# Altium PCB IDC_MCX_Adapter.PCBDOC (part 2 of 3)
Units mm, origin at the board's own origin, x right, y up, seen from the top; angles counter-clockwise.
Board outline 125 x 100 mm, 6 copper layers (L1, GND1, L2, L3, GND2, L4), stack 1.516 mm thick; 264 components, 203 nets, 818 pads, 676 vias.
Unrouted connection lines stored in the file: 2.
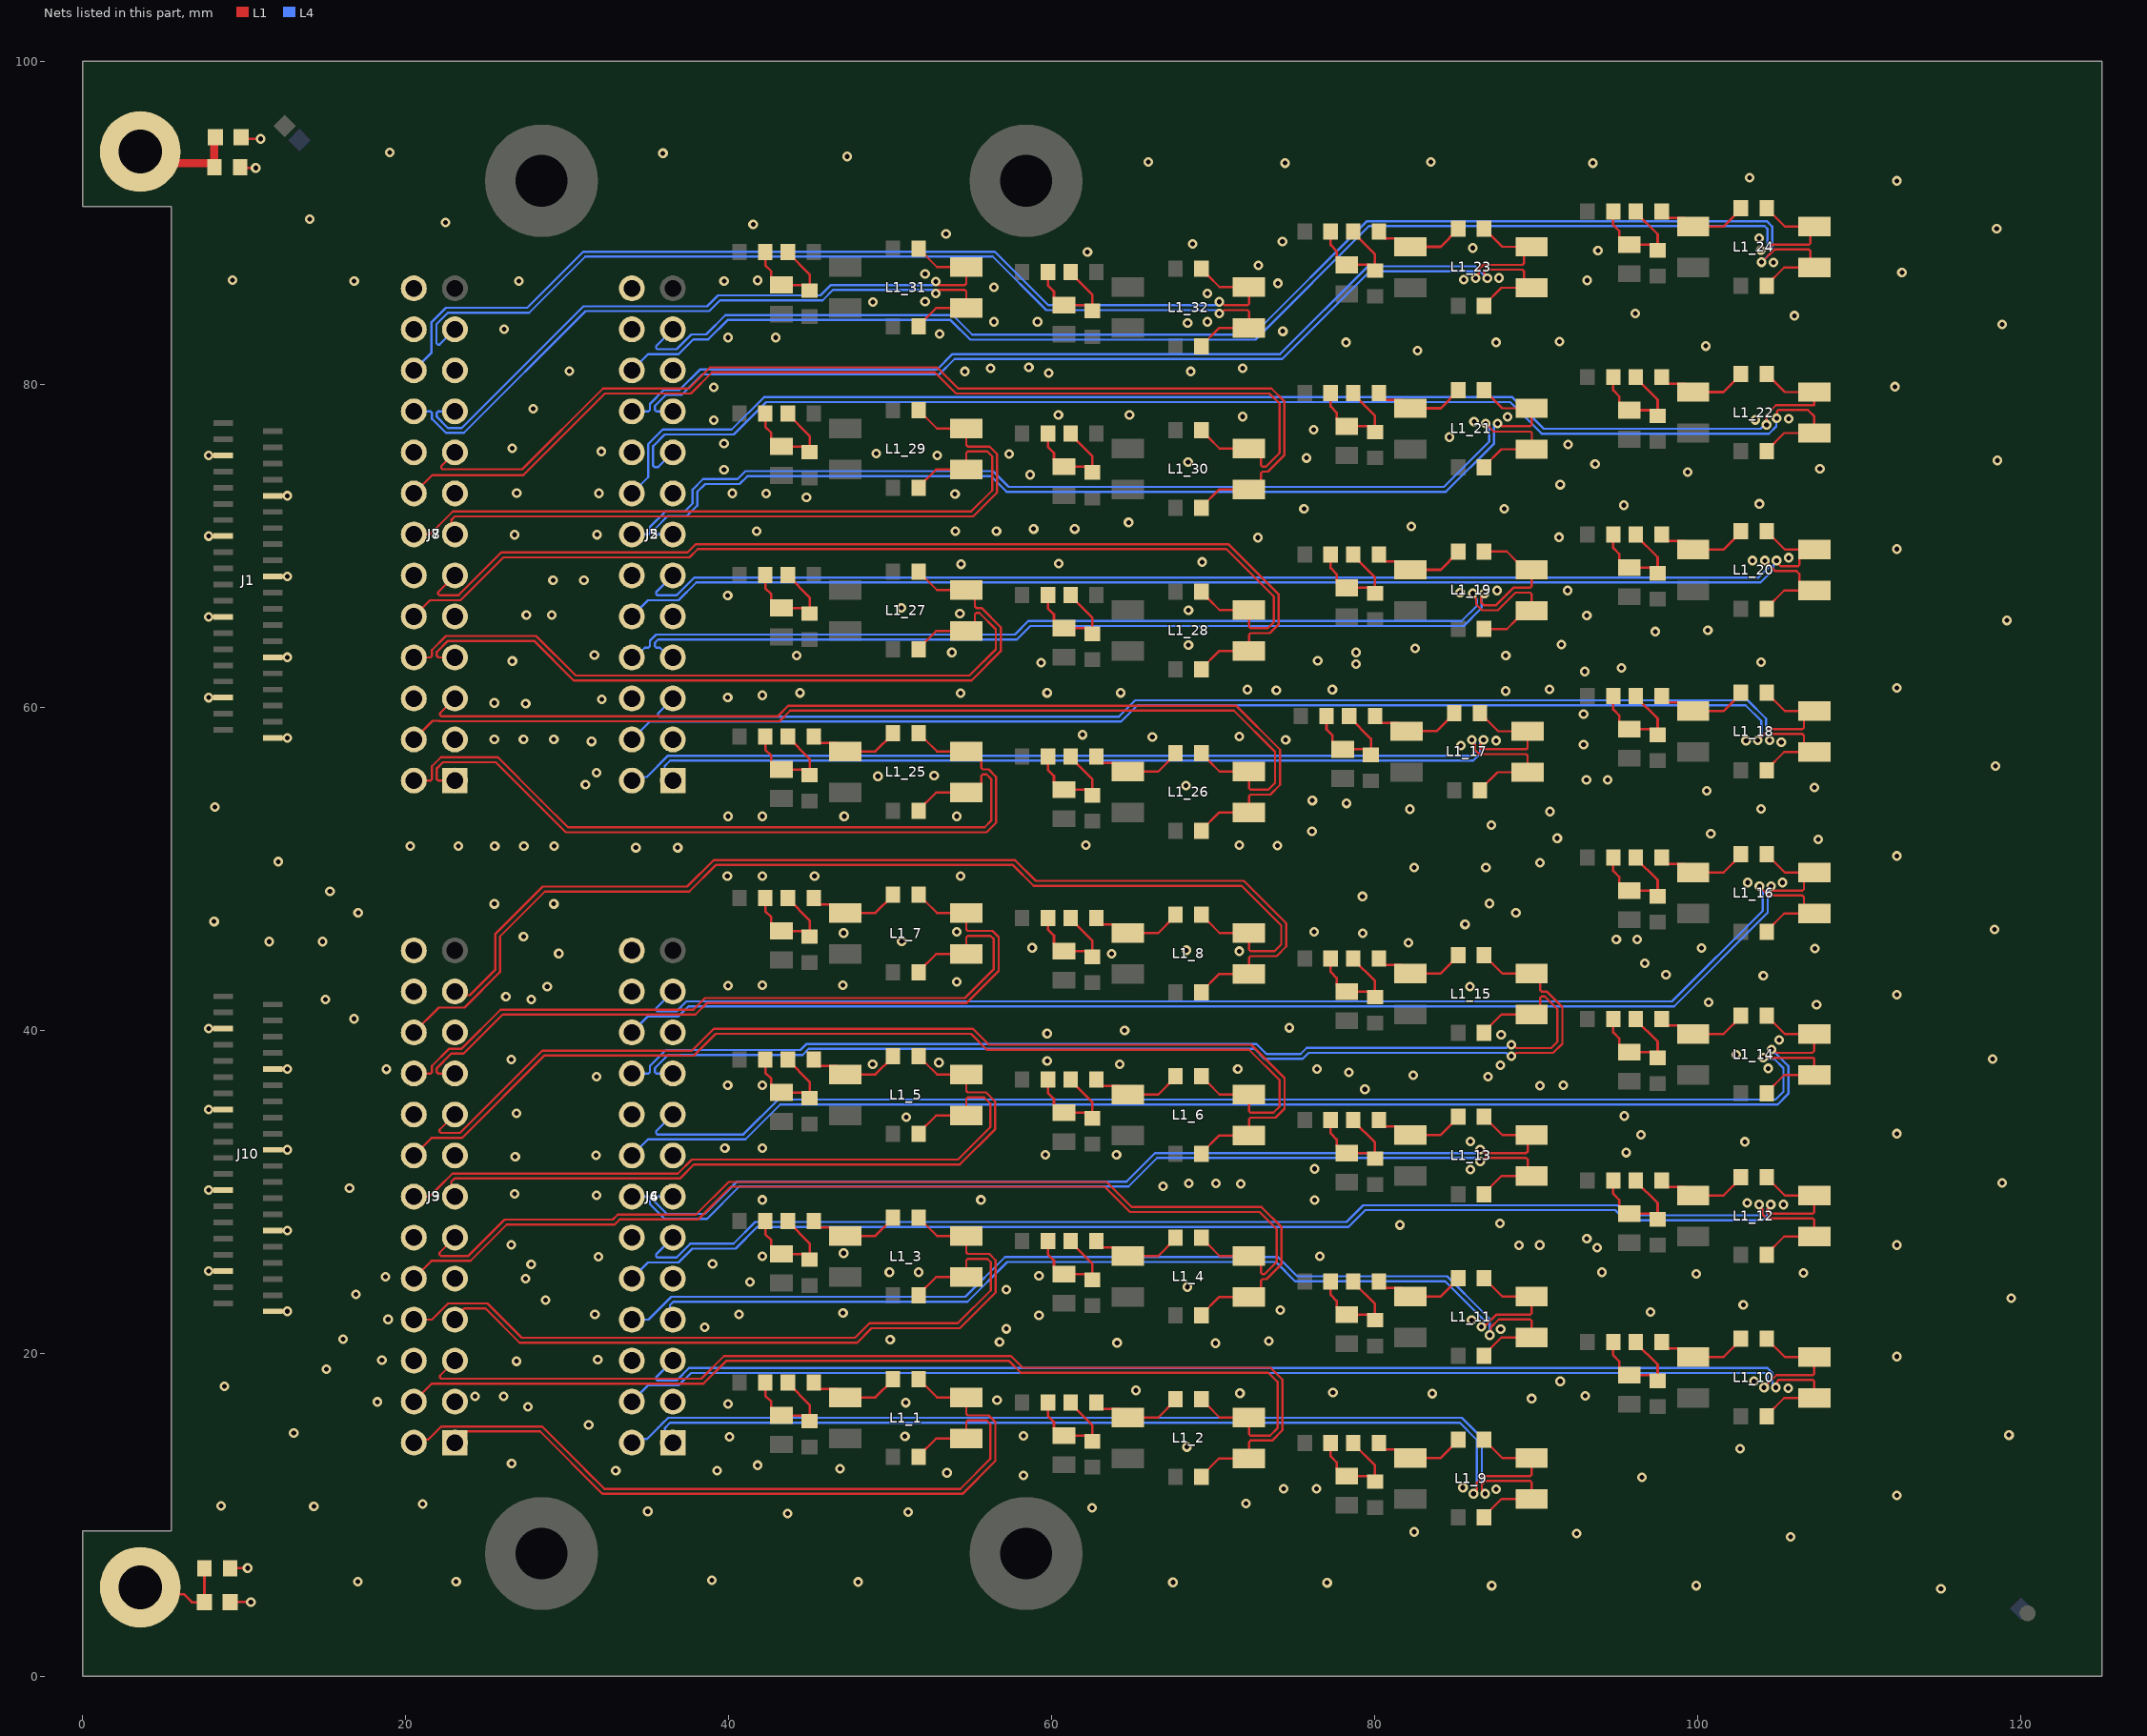
[diagram p6: the nets of this part, all layers, seen from the top]

## Via types
v1: diameter 0.6, hole 0.3, L1 to L4, tented both sides, 676 vias

## Nets (pads, with @x,y where several pads share a name; then routed paths per layer and width w, separated by ;. In a path a pad name is that pad's centre, name@x,y a point inside that pad or via, vN(x,y) a via of type N, cw(c..) or ccw(c..) an arc to the next point about the centre after c; other vN are vias at no path point)
GND: C11.2 C15.2 J1.5 J1.10 J1.15 J1.20 J1.25 J1.30 J1.35 J1.40 J2.3 J2.6 J2.9 J2.12 J2.15 J2.18 J2.21 J2.24 J3.3 J3.6 J3.9 J3.12 J3.15 J3.18 J3.21 J3.24 J4.3 J4.6 J4.9 J4.12 J4.15 J4.18 J4.21 J4.24 J5.3 J5.6 J5.9 J5.12 J5.15 J5.18 J5.21 J5.24 J6.3 J6.6 J6.9 J6.12 J6.15 J6.18 J6.21 J6.24 J7.3 J7.6 J7.9 J7.12 J7.15 J7.18 J7.21 J7.24 J8.3 J8.6 J8.9 J8.12 J8.15 J8.18 J8.21 J8.24 J9.3 J9.6 J9.9 J9.12 J9.15 J9.18 J9.21 J9.24 J10.5 J10.10 J10.15 J10.20 J10.25 J10.30 J10.35 J10.40 R17.2 R23.2 | length 22.8
  L1 w0.137: v1@7.747,30.108 7.899,30.108 7.908,30.1 J10.25@8.7,30.1 ; v1@7.747,65.608 7.899,65.608 7.908,65.6 J1.25@8.7,65.6 ; R23.2@9.124,6.673 9.151,6.7 v1(10.2,6.7) ; C15.2@9.224,4.581 9.243,4.6 v1(10.4,4.6) ; R17.2@9.742,93.44 9.782,93.4 v1(10.7,93.4) ; C11.2@9.9,95.3 10,95.2 v1(11,95.2)
  L1 w0.203: v1(7.787,25.1) J10.35@8.7,25.1 ; v1(7.787,30.1) J10.25@8.7,30.1 ; v1(7.787,35.1) J10.15@8.7,35.1 ; v1(7.787,40.1) J10.5@8.7,40.1 ; v1(7.787,60.6) J1.35@8.7,60.6 ; v1(7.787,65.6) J1.25@8.7,65.6 ; v1(7.787,70.6) J1.15@8.7,70.6 ; v1(7.787,75.6) J1.5@8.7,75.6 ; J10.40@11.75,22.6 v1(12.663,22.6) ; J10.30@11.75,27.6 v1(12.663,27.6) ; J10.10@11.75,37.6 v1(12.663,37.6) ; J1.40@11.75,58.1 v1(12.663,58.1) ; J1.30@11.75,63.1 v1(12.663,63.1) ; J1.10@11.75,73.1 v1(12.663,73.1) ; v1(12.663,32.6) J10.20@11.75,32.6 v1@12.7,32.6 ; v1(12.663,68.1) J1.20@11.75,68.1 v1@12.7,68.1
  other v1: 115.037,5.41 87.224,5.613 99.898,5.613 77.038,5.791 67.488,5.817 48.006,5.842 17.018,5.867 23.114,5.867 38.938,5.944 105.74,8.636 92.481,8.839 82.423,8.941 43.637,10.084 51.105,10.16 34.976,10.211 62.484,10.439 14.3,10.516 8.56,10.541 21.031,10.668 72.009,10.693 112.3,11.2 87.503,11.582 74.35,11.605 76.377,11.605 85.446,11.684 96.52,12.319 58.242,12.446 53.5,12.6 32.995,12.725 39.268,12.725 46.888,12.852 41.782,13.069 26.543,13.183 102.6,14.1 68.351,14.199 40.031,14.82 50.902,14.859 58.242,14.884 119.253,14.935 13.056,15.062 31.318,15.57 27.559,16.688 39.954,16.866 50.952,16.942 18.237,16.993 56.6,17.1 89.7,17.2 24.284,17.344 26.059,17.344 93.015,17.374 83.541,17.501 71.641,17.529 77.394,17.577 65.202,17.704 105.588,17.831 8.763,17.958 91.465,18.263 103.454,18.263 15.088,19.025 26.848,19.507 18.517,19.583 31.877,19.609 112.3,19.8 70.129,20.625 64.033,20.65 56.749,20.694 73.431,20.752 49.987,20.853 16.104,20.879 87.782,21.488 57.181,21.514 38.506,21.609 85.979,22.047 18.898,22.098 59.195,22.352 31.699,22.403 40.628,22.41 47.066,22.504 97.053,22.555 74.143,22.682 102.8,23 28.651,23.292 119.38,23.419 16.916,23.647 57.181,23.952 68.377,24.105 41.3,24.409 27.407,24.613 18.745,24.74 59.195,24.79 99.898,24.917 106.528,24.968 49.936,25.019 51.74,25.019 94.056,25.019 27.752,25.503 38.989,25.527 31.928,25.984 42.07,26 76.581,26.01 47.1,26.2 93.751,26.543 88.925,26.695 90.2,26.7 112.3,26.7 26.531,26.724 93.116,27.102 81.547,27.945 87.732,28.042 105.283,29.21 103.048,29.312 42.07,29.5 55.6,29.502 76.251,29.489 31.801,29.794 26.721,29.87 16.51,30.226 66.878,30.353 71.694,30.498 68.478,30.531 70.155,30.531 118.821,30.556 85.903,31.378 76.251,31.42 26.772,32.182 31.775,32.258 59.6,32.3 64,32.3 95.548,32.429 39.751,32.7 42.07,32.7 102.9,33.1 85.903,33.122 96.469,33.528 112.3,33.6 50.978,34.62 95.428,34.696 26.848,34.849 79.375,36.347 90.221,36.576 39.929,36.601 42.07,36.6 91.669,36.601 31.801,37.135 86.996,37.138 82.372,37.211 78.384,37.389 18.796,37.592 71.5,37.6 76.4,37.6 104.343,37.643 87.757,37.846 48.9,37.9 64.2,37.9 53,38 59.7,38.1 26.518,38.202 118.237,38.227 102.362,38.481 105.029,39.395 87.808,39.726 59.7,39.8 64.5,40 74.701,40.157 16.789,40.716 107.34,41.58 100.66,41.732 15.011,41.91 27.762,41.91 26.187,42.088 112.3,42.2 28.753,42.697 85.877,42.697 39.954,42.774 42.07,42.8 47.054,42.8 54.1,43 104.038,43.383 98.019,43.434 96.698,44.145 29.464,44.755 63.7,44.75 71.6,44.9 68.326,44.958 107.239,45.06 58.779,45.11 100.208,45.1 82.067,45.415 11.532,45.491 14.834,45.491 50.698,45.517 94.945,45.618 96.241,45.618 27.28,45.796 79.246,46.001 47.1,46.024 54.1,46.1 76.227,46.097 118.364,46.253 85.573,46.558 8.128,46.736 17.043,47.269 88.722,47.269 25.476,47.828 29.159,47.828 87.097,47.854 79.226,48.291 15.3,48.6 103.073,49.149 105.232,49.149 39.903,49.555 42.07,49.555 45.3,49.555 54.346,49.555 82.423,50.089 86.868,50.089 90.221,50.368 12.09,50.444 112.3,50.8 34.239,51.308 36.83,51.308 20.269,51.41 23.241,51.41 25.502,51.41 27.305,51.41 29.185,51.41 73.965,51.435 62.1,51.475 71.6,51.475 107.442,51.816 91.288,51.892 100.787,52.172 76.098,52.324 87.2,52.7 39.954,53.251 42.07,53.251 47.132,53.251 54.1,53.251 90.829,53.545 82.169,53.696 103.9,53.7 8.179,53.823 78.232,54.051 76.124,54.229 100.533,54.839 107.213,55.041 68.298,55.155 31.115,55.22 93.091,55.499 94.412,55.499 49.225,55.728 52.705,55.778 31.801,55.956 118.415,56.363 85.319,57.633 92.913,57.683 105.156,57.836 31.496,57.887 87.503,57.937 102.972,57.937 74.473,57.988 25.476,58.014 27.28,58.014 29.159,58.014 66.218,58.166 71.6,58.2 61.9,58.3 92.913,59.588 27.42,60.23 25.476,60.274 32.131,60.503 39.929,60.604 42.07,60.744 54.346,60.871 44.397,60.897 59.7,60.897 64.262,60.897 88.087,61.011 73.889,61.062 72.1,61.1 77.362,61.1 90.805,61.112 112.3,61.2 92.981,62.219 95.25,62.433 78.819,62.673 59.334,62.763 103.9,62.8 26.594,62.865 76.454,62.89 44.2,63.2 88.1,63.2 31.674,63.246 53.8,63.4 78.819,63.4 82.475,63.643 68.453,63.856 91.542,63.881 97.358,64.694 100.609,64.77 119.126,65.38 93.116,65.684 27.457,65.71 29.026,65.714 54.3,65.8 68.453,66.015 50.673,66.167 39.929,66.929 85.268,67.107 87.554,67.234 91.923,67.234 29.108,67.869 31.021,67.869 54.381,68.859 60.424,68.9 69.3,69 103.378,69.088 105.613,69.266 112.3,69.8 72.746,70.51 91.389,70.536 26.721,70.688 31.828,70.691 41.707,70.917 54.026,70.917 56.566,70.917 58.868,71.044 61.408,71.044 82.242,71.199 64.745,71.45 75.6,72.3 88,72.3 95.402,72.517 103.8,72.6 44.8,73 54,73.2 31.953,73.254 40.202,73.254 42.303,73.244 26.865,73.269 91.465,73.787 58.645,74.402 99.365,74.574 39.697,74.711 107.544,74.778 93.624,75.057 68.428,75.184 118.542,75.286 75.768,75.438 52.9,75.6 57.357,75.693 49.124,75.717 32.106,75.844 26.59,76.04 91.948,76.276 39.697,76.333 84.607,76.733 76.2,77.191 86.131,77.699 39.065,77.775 103.556,77.8 105.613,77.876 88.214,77.978 71.8,78 60.4,78.1 64.8,78.1 27.889,78.486 39.065,79.807 112.192,79.858 59.792,80.696 54.6,80.8 68.6,80.8 30.124,80.823 56.21,81.001 71.8,81 58.572,81.051 82.626,82.093 100.482,82.372 78.2,82.6 87.5,82.6 91.415,82.652 39.948,82.9 42.9,82.9 53.052,83.127 74.295,83.287 26.086,83.414 118.821,83.718 68.4,83.8 56.399,83.871 59.106,83.871 69.621,83.871 105.969,84.252 96.114,84.379 48.92,85.09 52.147,85.129 69.621,85.623 56.413,86.004 73.99,86.258 27,86.385 39.7,86.385 16.8,86.4 41.783,86.436 93.142,86.436 9.271,86.462 85.496,86.487 87.681,86.589 52.147,86.845 112.624,86.919 72.771,87.376 104.673,87.554 62.2,88.2 93.802,88.29 86.055,88.443 68.7,88.7 74.27,88.849 103.784,89.052 53.442,89.306 118.491,89.637 41.5,89.9 22.454,90.018 14.046,90.221 112.3,92.6 103.2,92.8 74.422,93.701 93.497,93.701 65.964,93.777 83.464,93.777 47.32,94.107 35.916,94.31 18.999,94.361
IN_N1: J3.2 J9.2 L1_1.3 R5_1.2 | length 46.7
  L1 w0.137: J9.2@20.492,14.466 20.69,14.664 21.393,14.664 22.198,15.469 28.431,15.469 30.992,12.908 31.1,12.8 32.3,11.6 54.327,11.6 56.191,13.465 56.191,15.615 55.959,15.848 54.789,15.848 54.7,15.758 L1_1.3@54.7,14.73 52.83,14.73 51.75,13.65 R5_1.2@51.75,13.6
IN_N2: J3.5 J9.5 L1_2.3 R5_2.2 | length 64.8
  L1 w0.137: J9.5@23.032,19.546 22.11,18.623 22.11,18.51 22.19,18.429 38.298,18.429 39.698,19.83 57.47,19.83 58.195,19.105 73.526,19.105 74.27,18.361 74.27,15.24 73.627,14.598 72.289,14.598 72.2,14.508 L1_2.3@72.2,13.48 70.33,13.48 69.25,12.4 R5_2.2@69.25,12.35
IN_N3: J3.8 J9.8 L1_3.3 R5_3.2 | length 46.1
  L1 w0.137: J9.8@20.492,22.086 21.614,22.086 22.617,23.089 25.043,23.089 27.168,20.964 47.812,20.964 48.707,21.859 54.17,21.859 56.21,23.9 56.21,25.637 56,25.848 54.789,25.848 54.7,25.758 L1_3.3@54.7,24.73 52.83,24.73 51.75,23.65 R5_3.2@51.75,23.6
IN_N4: J3.11 J9.11 L1_4.3 R5_4.2 | length 65.6
  L1 w0.137: J9.11@23.032,27.166 22.09,26.224 22.09,26.11 22.171,26.03 23.872,26.03 26.119,28.277 32.799,28.277 33.112,28.59 37.959,28.59 39.984,30.616 63.389,30.616 64.95,29.055 72.976,29.055 74.219,27.812 74.219,25.531 73.286,24.598 73.033,24.598 72.944,24.508 72.944,24.004 72.42,23.48 L1_4.3@72.2,23.48 70.33,23.48 69.25,22.4 R5_4.2@69.25,22.35
IN_N5: J3.14 J9.14 L1_5.3 R5_5.2 | length 45.1
  L1 w0.137: J9.14@20.492,29.706 21.462,29.706 22.015,30.259 22.884,31.128 36.833,31.128 37.705,32 54.174,32 56.185,34.011 56.185,35.459 55.796,35.848 54.789,35.848 54.7,35.758 L1_5.3@54.7,34.73 52.83,34.73 51.75,33.65 R5_5.2@51.75,33.6
IN_N6: J3.17 J9.17 L1_6.3 R5_6.2 | length 66.6
  L1 w0.137: J9.17@23.032,34.786 22.09,33.844 22.09,33.73 22.171,33.65 23.351,33.65 28.44,38.74 37.118,38.74 37.122,38.735 37.704,38.735 39.058,40.089 55.111,40.089 55.2,40 56.095,39.105 72.334,39.105 74.405,37.034 74.405,35.162 73.841,34.598 72.289,34.598 72.2,34.508 L1_6.3@72.2,33.48 70.33,33.48 69.25,32.4 R5_6.2@69.25,32.35
IN_N7: J3.20 J9.20 L1_7.3 R5_7.2 | length 47
  L1 w0.137: J9.20@20.492,37.326 21.521,37.326 21.61,37.415 21.61,37.789 22.684,38.863 23.448,38.863 25.865,41.28 37.801,41.28 38.521,42 54.6,42 56.4,43.8 56.4,45.648 56.2,45.848 54.789,45.848 54.7,45.758 L1_7.3@54.7,44.73 52.83,44.73 51.75,43.65 R5_7.2@51.75,43.6
IN_N8: J3.23 J9.23 L1_8.3 R5_8.2 | length 66.5
  L1 w0.137: J9.23@23.032,42.406 23.105,42.406 23.342,42.17 23.958,42.17 25.527,43.739 25.527,45.948 28.475,48.896 37.416,48.896 39.061,50.541 57.714,50.541 59.002,49.253 71.878,49.253 74.505,46.626 74.505,45.193 73.909,44.598 72.289,44.598 72.2,44.508 L1_8.3@72.2,43.48 70.33,43.48 69.25,42.4 R5_8.2@69.25,42.35
IN_N9: J4.2 J6.2 L1_9.3 R5_9.2 | length 65.8
  L1 w0.137: R5_9.2@86.75,9.85 86.75,9.9 87.83,10.98 L1_9.3@89.7,10.98 89.7,12.008 89.611,12.098 86.854,12.098 86.616,11.859 86.616,11.383 86.696,11.303 v1(86.827,11.303)
  L4 w0.137: J6.2@33.992,14.466 34.215,14.689 34.918,14.689 35.632,15.403 35.643,15.403 35.82,15.581 35.82,15.591 36.239,16.011 37.176,16.011 85.37,16.011 86.616,14.766 86.616,11.615 86.827,11.404 v1(86.827,11.303)
IN_N10: J4.5 J6.5 L1_10.3 R5_10.2 | length 79.4
  L1 w0.137: R5_10.2@104.25,16.1 104.25,16.15 105.33,17.23 L1_10.3@107.2,17.23 107.2,18.258 107.111,18.348 104.986,18.348 104.888,18.25 104.888,17.954 v1(104.816,17.882)
  L4 w0.137: J6.5@36.532,19.546 35.494,18.508 35.494,18.395 35.575,18.314 36.755,18.314 37.53,19.089 104.292,19.089 104.416,18.966 104.605,18.776 104.605,18.078 104.801,17.882 v1(104.816,17.882)
IN_N11: J4.8 J6.8 L1_11.3 R5_11.2 | length 65.1
  L1 w0.137: R5_11.2@86.75,19.85 86.75,19.9 87.83,20.98 L1_11.3@89.7,20.98 89.7,22.008 89.611,22.098 87.656,22.098 87.174,21.615 87.174,21.198 v1(87.103,21.127)
  L4 w0.137: J6.8@33.992,22.086 35.021,22.086 36.434,23.5 54.64,23.5 57.099,25.959 73.99,25.959 75.184,24.765 84.466,24.765 86.716,22.516 87.103,22.128 v1(87.103,21.127)
IN_N12: J4.11 J6.11 L1_12.3 R5_12.2 | length 80.9
  L1 w0.137: v1(103.777,29.21) 103.777,29.109 103.988,28.898 103.988,28.606 104.246,28.348 107.111,28.348 107.2,28.258 L1_12.3@107.2,27.23 105.33,27.23 104.25,26.15 R5_12.2@104.25,26.1
  L4 w0.137: J6.11@36.532,27.166 35.494,26.128 35.494,26.015 35.575,25.934 36.755,25.934 37.61,26.789 40.284,26.789 41.627,28.132 78.233,28.132 79.271,29.17 95.004,29.17 95.629,28.546 103.859,28.546 103.985,28.672 103.985,28.898 103.777,29.107 v1(103.777,29.21)
IN_N13: J4.14 J6.14 L1_13.3 R5_13.2 | length 62.6
  L1 w0.137: v1(86.512,31.887) 86.613,31.887 86.824,32.098 89.363,32.098 89.453,32.008 89.453,31.227 L1_13.3@89.7,30.98 87.83,30.98 86.75,29.9 R5_13.2@86.75,29.85
  L4 w0.137: J6.14@33.992,29.706 35.021,29.706 35.11,29.617 35.11,29.243 36.024,28.328 38.641,28.328 40.64,30.328 64.744,30.328 66.514,32.098 86.201,32.098 86.412,31.887 v1(86.512,31.887)
IN_N14: J4.17 J6.17 L1_14.3 R5_14.2 | length 83.1
  L1 w0.137: v1(104.038,38.303) 107.12,38.303 107.2,38.223 L1_14.3@107.2,37.23 105.33,37.23 104.25,36.15 R5_14.2@104.25,36.1
  L4 w0.137: J6.17@36.532,34.786 35.494,33.748 35.494,33.635 35.575,33.554 40.896,33.554 43.055,35.714 104.802,35.714 105.284,36.196 105.284,37.666 104.718,38.232 104.11,38.232 v1(104.038,38.303)
IN_N15: J4.20 J6.20 L1_15.3 R5_15.2 | length 67.2
  L1 w0.137: R5_15.2@86.75,39.85 86.75,39.9 87.83,40.98 L1_15.3@89.7,40.98 90.224,41.504 90.224,42.008 90.313,42.098 90.506,42.098 91.3,41.303 91.3,39.3 90.905,38.905 88.755,38.905 88.543,39.116 v1(88.443,39.116)
  L4 w0.137: J6.20@33.992,37.326 35.021,37.326 35.11,37.415 35.11,37.79 36.102,38.782 44.437,38.782 44.813,39.157 72.653,39.157 73.278,38.532 75.388,38.532 75.769,38.913 88.131,38.913 88.334,39.116 v1(88.443,39.116)
IN_N16: J4.23 J6.23 L1_16.3 R5_16.2 | length 82
  L1 w0.137: v1(103.802,48.92) 104.375,48.348 106.463,48.348 106.553,48.258 106.553,47.754 L1_16.3@107.076,47.23 ; R5_16.2@104.25,46.1 104.25,46.15 105.33,47.23 L1_16.3@107.076,47.23 ; L1_16.3@107.2,47.23 L1_16.3@107.076,47.23
  L4 w0.137: J6.23@36.532,42.406 35.494,41.368 35.494,41.255 35.575,41.174 36.755,41.174 37.37,41.789 98.389,41.789 104.013,47.413 104.013,48.609 103.802,48.82 v1(103.802,48.92)
IN_N17: J2.2 J5.2 L1_17.3 R5_17.2 | length 62.4
  L1 w0.137: v1(85.989,57.988) 85.989,57.888 86.2,57.676 86.2,57.358 86.459,57.099 86.746,57.099 86.748,57.098 89.361,57.098 89.45,57.008 L1_17.3@89.45,55.98 87.58,55.98 86.5,54.9 R5_17.2@86.5,54.85
  L4 w0.137: J5.2@33.992,55.466 34.216,55.69 34.917,55.69 35.632,56.405 35.795,56.568 36.232,57.005 85.95,57.005 86.2,57.255 86.2,57.908 86.12,57.988 v1(85.989,57.988)
IN_N18: J2.5 J5.5 L1_18.3 R5_18.2 | length 79.6
  L1 w0.137: R5_18.2@104.25,56.1 104.25,56.15 105.33,57.23 L1_18.3@107.076,57.23 ; v1(104.427,57.963) 104.334,58.056 104.334,58.157 104.525,58.348 106.463,58.348 106.553,58.258 106.553,57.754 L1_18.3@107.076,57.23 ; L1_18.3@107.2,57.23 L1_18.3@107.076,57.23
  L4 w0.137: J5.5@36.532,60.546 35.605,59.619 35.605,59.505 35.685,59.425 64.149,59.425 65.159,60.435 103.074,60.435 104.216,59.293 104.216,58.275 104.427,58.063 v1(104.427,57.963)
IN_N19: J2.8 J5.8 L1_19.3 R5_19.2 | length 64.1
  L1 w0.137: v1(86.047,67.056) 86.157,67.056 86.148,67.047 86.148,66.854 86.258,66.744 86.258,66.381 86.634,66.006 87.599,66.006 88.691,67.098 89.611,67.098 89.7,67.008 L1_19.3@89.7,65.98 89.169,65.449 88.766,65.449 88.167,64.85 R5_19.2@86.75,64.85
  L4 w0.137: J5.8@33.992,63.086 34.184,63.086 34.798,63.7 35.021,63.7 35.11,63.789 35.11,64.126 35.489,64.505 57.698,64.505 58.538,65.345 85.365,65.345 86.3,66.28 86.3,66.678 86.047,66.931 v1(86.047,67.056)
IN_N20: J2.11 J5.11 L1_20.3 R5_20.2 | length 78.5
  L1 w0.137: v1(104.132,69.088) 104.263,69.088 104.343,69.008 104.283,68.948 104.283,68.937 104.783,68.437 106.098,68.437 106.276,68.258 106.276,67.628 106.674,67.23 105.33,67.23 104.25,66.15 R5_20.2@104.25,66.1
  L4 w0.137: J5.11@36.532,68.166 35.494,67.128 35.494,67.015 35.575,66.934 36.755,66.934 37.856,68.035 103.745,68.035 104.343,68.633 104.343,68.776 104.157,68.963 104.132,68.963 v1(104.132,69.088)
IN_N21: J2.14 J5.14 L1_21.3 R5_21.2 | length 66.7
  L1 w0.137: R5_21.2@86.75,74.85 86.75,74.9 87.83,75.98 L1_21.3@89.7,75.98 L1_21.3@90.242,75.98 ; v1(86.86,77.572) 87.343,77.089 87.369,77.089 87.382,77.076 89.63,77.076 89.71,76.996 89.71,76.511 L1_21.3@90.242,75.98 ; L1_21.3@90.401,75.98 L1_21.3@90.242,75.98
  L4 w0.137: J5.14@33.992,70.706 35.021,70.706 35.11,70.795 35.11,71.169 36.077,72.136 37.262,72.136 37.744,72.619 37.744,73.481 38.4,74.137 40.534,74.137 41.022,74.625 56.349,74.625 57.32,73.654 84.267,73.654 87.071,76.458 87.071,77.491 86.991,77.572 v1(86.86,77.572)
IN_N22: J2.17 J5.17 L1_22.3 R5_22.2 | length 82.4
  L1 w0.137: R5_22.2@104.25,75.85 104.25,75.9 105.33,76.98 L1_22.3@107.2,76.98 107.2,78.008 106.803,78.406 104.961,78.406 104.881,78.325 104.881,77.915 v1(104.865,77.9)
  L4 w0.137: J5.17@36.532,75.786 35.627,74.881 35.387,74.881 35.307,74.961 35.307,76.177 36.028,76.898 40.298,76.898 42.3,78.9 88.369,78.9 89.184,78.084 90.324,76.945 104.392,76.945 104.841,77.394 104.841,77.876 v1(104.865,77.9)
IN_N23: J2.20 J5.20 L1_23.3 R5_23.2 | length 65
  L1 w0.137: R5_23.2@86.75,84.85 86.75,84.9 87.83,85.98 L1_23.3@89.7,85.98 89.218,86.462 89.218,87.008 89.129,87.098 86.821,87.098 86.741,87.017 86.741,86.9 86.952,86.688 v1(86.952,86.563)
  L4 w0.137: J5.20@33.992,78.326 35.021,78.326 35.11,78.415 35.11,78.789 35.981,79.66 36.955,79.66 38.211,80.916 52.884,80.916 53.842,81.873 74.127,81.873 79.559,87.305 86.206,87.305 86.948,86.563 v1(86.952,86.563)
IN_N24: J2.23 J5.23 L1_24.3 R5_24.2 | length 85.6
  L1 w0.137: v1(103.937,87.563) 103.945,87.563 104.729,88.348 106.86,88.348 106.949,88.258 106.949,87.481 L1_24.3@107.2,87.23 105.33,87.23 104.25,86.15 R5_24.2@104.25,86.1
  L4 w0.137: J5.23@36.532,83.406 35.494,82.368 35.494,82.255 35.575,82.174 36.755,82.174 37.67,83.089 38.589,83.089 39.788,84.288 53.853,84.288 55.071,83.07 72.47,83.07 79.505,90.105 104.255,90.105 104.597,89.763 104.597,88.224 v1(103.937,87.563)
IN_N25: J7.2 J8.2 L1_25.3 R5_25.2 | length 47.2
  L1 w0.137: J7.2@20.492,55.466 21.521,55.466 21.61,55.555 21.61,56.348 22.167,56.905 25.695,56.905 28.4,54.2 30.032,52.568 55.828,52.568 56.236,52.975 56.236,55.566 55.954,55.848 55.713,55.848 55.624,55.758 55.624,55.254 55.1,54.73 L1_25.3@54.7,54.73 52.83,54.73 51.75,53.65 R5_25.2@51.75,53.6
IN_N26: J7.5 J8.5 L1_26.3 R5_26.2 | length 63.7
  L1 w0.137: J7.5@23.032,60.546 22.118,59.632 22.118,59.518 22.198,59.438 43.007,59.438 43.674,60.105 71.391,60.105 74.117,57.379 74.117,55.194 73.521,54.598 72.289,54.598 72.2,54.508 L1_26.3@72.2,53.48 70.33,53.48 69.25,52.4 R5_26.2@69.25,52.35
IN_N27: J7.8 J8.8 L1_27.3 R5_27.2 | length 46.2
  L1 w0.137: J7.8@20.492,63.086 21.521,63.086 21.61,63.175 21.61,63.549 22.48,64.42 28.065,64.42 30.519,61.965 54.892,61.965 56.521,63.594 56.521,64.832 55.506,65.848 55.317,65.848 55.227,65.758 55.227,65.254 54.703,64.73 L1_27.3@54.7,64.73 52.83,64.73 51.75,63.65 R5_27.2@51.75,63.6
IN_N28: J7.11 J8.11 L1_28.3 R5_28.2 | length 64.7
  L1 w0.137: J7.11@23.032,68.166 21.994,67.128 21.994,67.015 22.075,66.934 23.255,66.934 25.91,69.589 37.435,69.589 37.951,70.105 70.921,70.105 74.041,66.985 74.041,65.151 73.488,64.598 72.289,64.598 72.2,64.508 L1_28.3@72.2,63.48 70.33,63.48 69.25,62.4 R5_28.2@69.25,62.35
IN_N29: J7.14 J8.14 L1_29.3 R5_29.2 | length 45.3
  L1 w0.137: J7.14@20.492,70.706 21.484,70.706 22.022,71.244 22.907,72.13 54.999,72.13 56.301,73.432 56.301,75.543 55.997,75.848 54.789,75.848 54.7,75.758 L1_29.3@54.7,74.73 52.83,74.73 51.75,73.65 R5_29.2@51.75,73.6
IN_N30: J7.17 J8.17 L1_30.3 R5_30.2 | length 67.2